# KiCad board JL-rev1.kicad_pcb
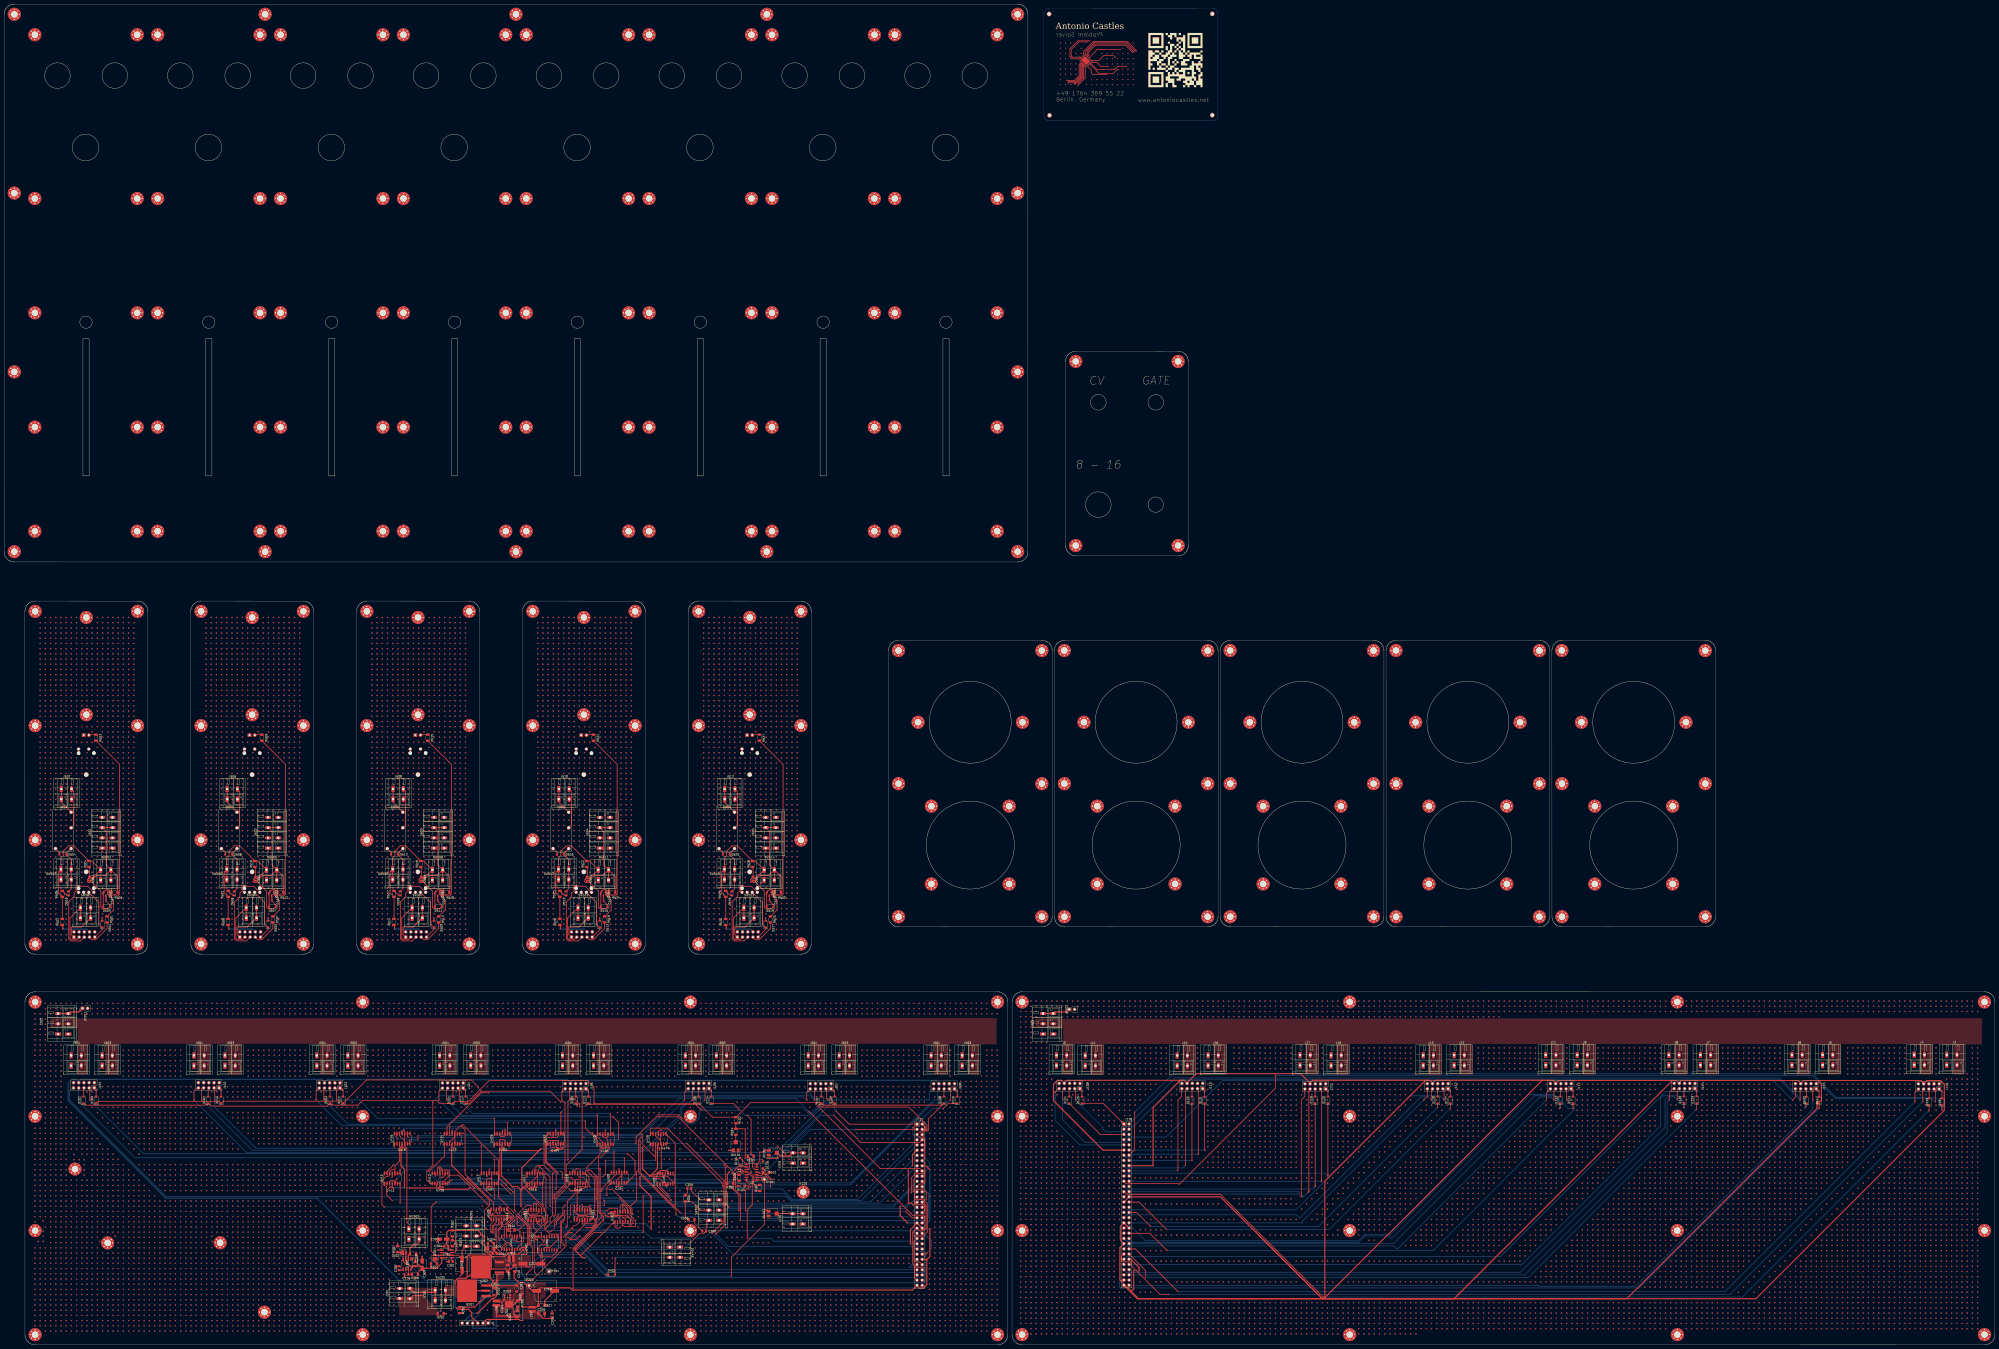
[diagram p0: board, top side]
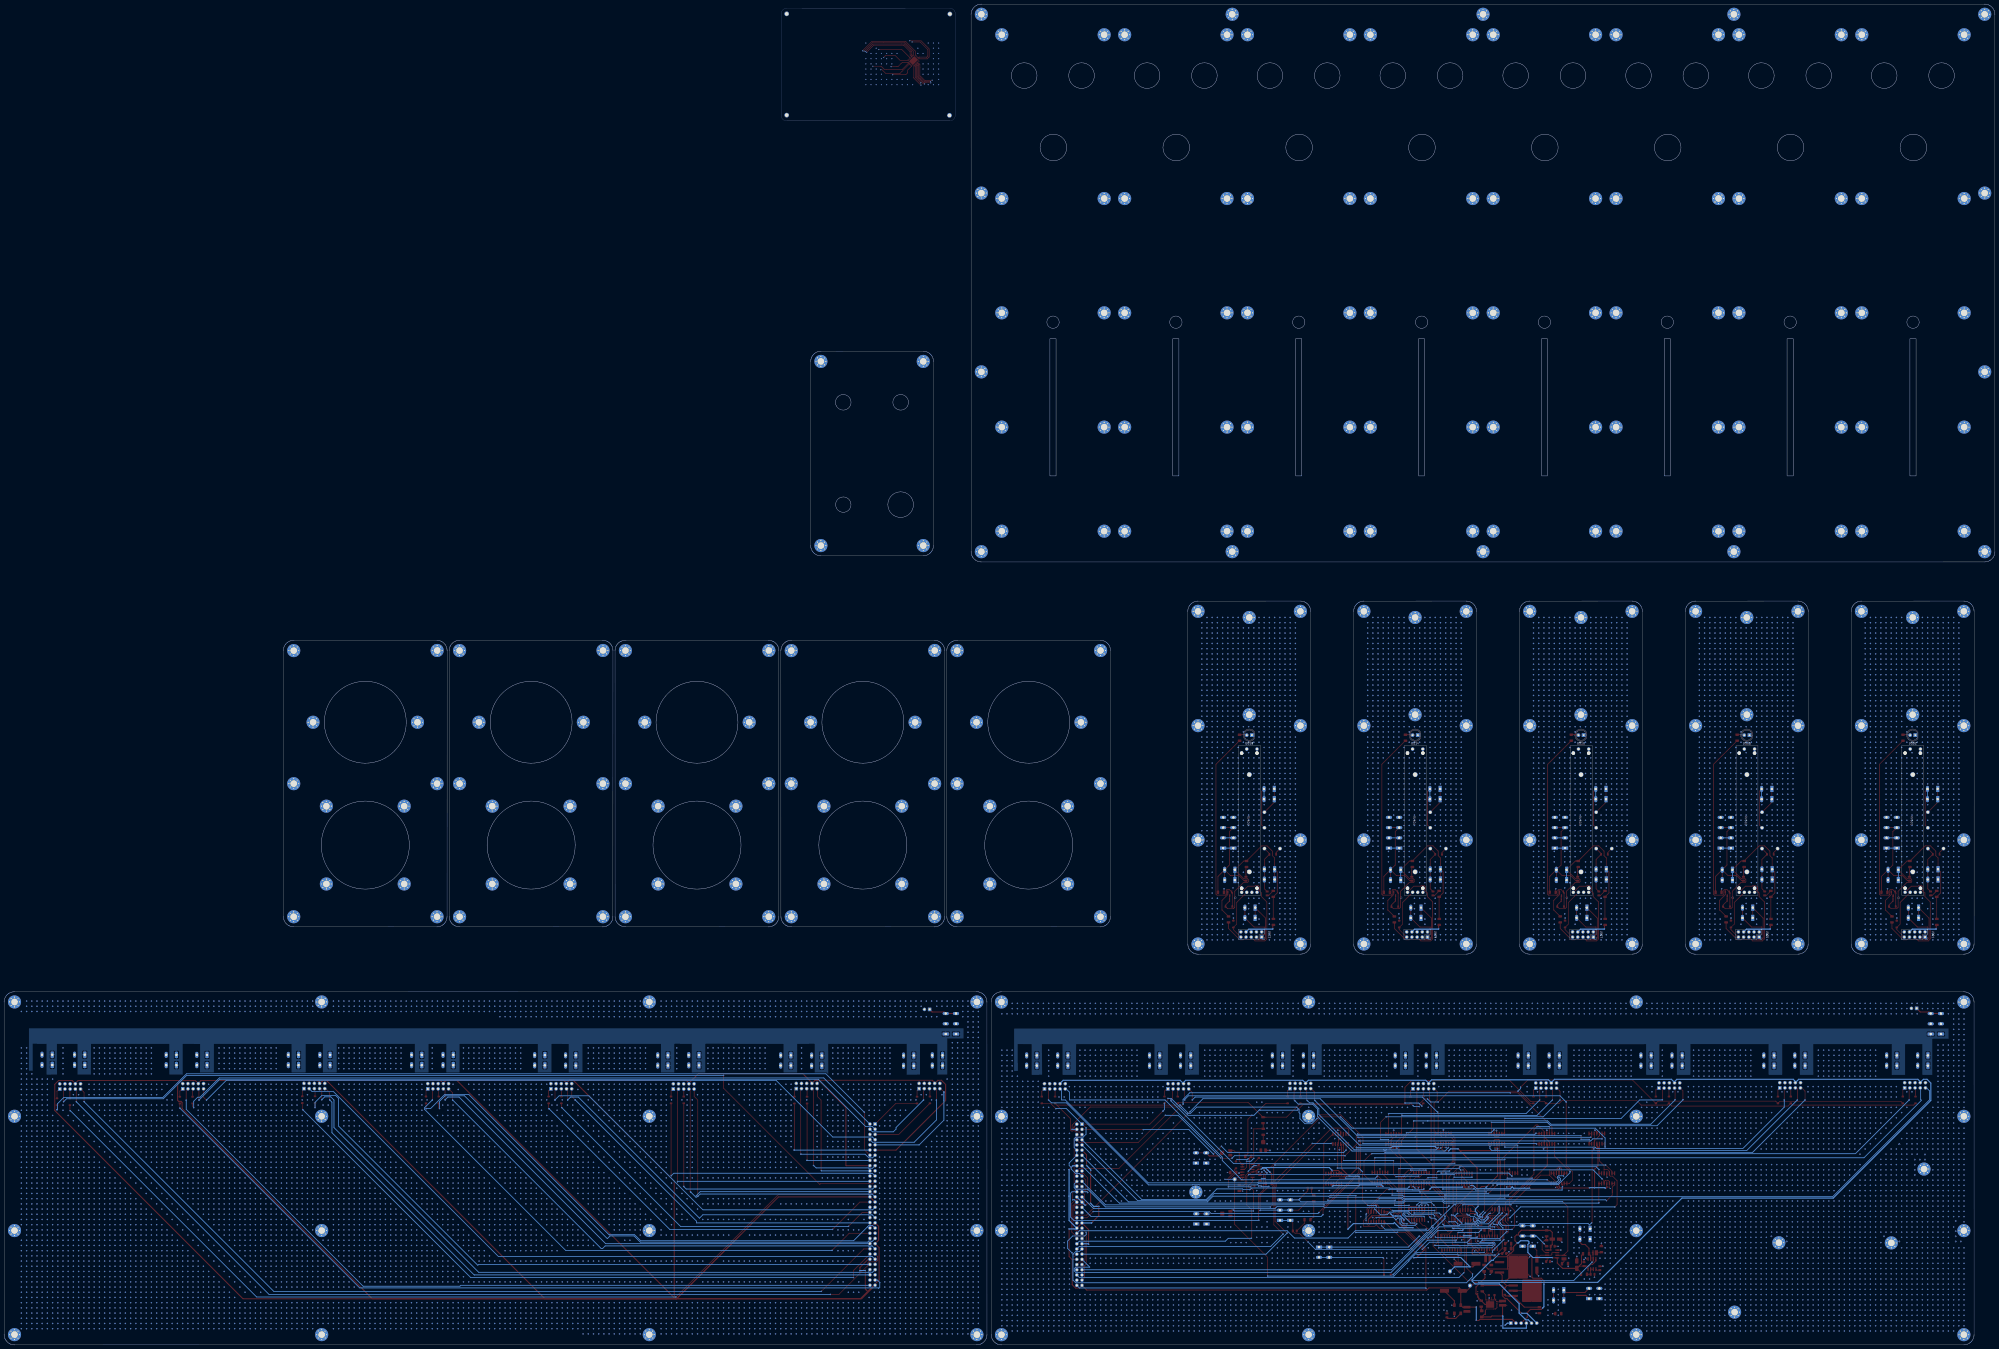
[diagram p1: board, bottom side, seen from below]

Outline 972.25 x 654.95 mm; copper layers: Top, In1.Cu (plane), In2.Cu (plane), Bottom. Coordinates in mm from the lower left corner of the outline.
Outline path: circle c26.06,620.03 r6.25 ; rectangle 38.51,491.48 41.51,424.48 ; circle c39.81,584.9 r6.5 ; circle c39.99,499.58 r3 ; circle c54.06,620.03 r6.25 ; circle c86.06,620.03 r6.25 ; rectangle 98.51,491.48 101.51,424.48 ; circle c99.81,584.9 r6.5 ; circle c99.99,499.58 r3 ; circle c114.06,620.03 r6.25 ; circle c146.06,620.03 r6.25 ; rectangle 158.51,491.48 161.51,424.48 ; circle c159.81,584.9 r6.5 ; circle c159.99,499.58 r3 ; circle c174.06,620.03 r6.25 ; circle c206.06,620.03 r6.25 ; rectangle 218.51,491.48 221.51,424.48 ; circle c219.81,584.9 r6.5 ; circle c219.99,499.58 r3 ; circle c234.06,620.03 r6.25 ; circle c266.06,620.03 r6.25 ; rectangle 278.51,491.48 281.51,424.48 ; circle c279.81,584.9 r6.5 ; circle c279.99,499.58 r3 ; circle c294.06,620.03 r6.25 ; circle c326.06,620.03 r6.25 ; rectangle 338.51,491.48 341.51,424.48 ; circle c339.81,584.9 r6.5 ; circle c339.99,499.58 r3 ; circle c354.06,620.03 r6.25 ; circle c386.06,620.03 r6.25 ; rectangle 398.51,491.48 401.51,424.48 ; circle c399.81,584.9 r6.5 ; circle c399.99,499.58 r3 ; circle c414.06,620.03 r6.25 ; circle c446.06,620.03 r6.25 ; rectangle 458.51,491.48 461.51,424.48 ; circle c459.81,584.9 r6.5 ; circle c459.99,499.58 r3 ; circle c471.86,304.15 r20 ; circle c471.86,244.15 r21.5 ; circle c474.06,620.03 r6.25 ; circle c534.38,460.43 r3.81 ; circle c534.41,410.45 r6.25 ; circle c552.86,304.15 r20 ; circle c552.86,244.15 r21.5 ; circle c562.41,410.45 r3.75 ; circle c562.43,460.43 r3.8 ; circle c633.86,304.15 r20 ; circle c633.86,244.15 r21.5 ; circle c714.86,304.15 r20 ; circle c714.86,244.15 r21.5 ; circle c795.86,304.15 r20 ; circle c795.86,244.15 r21.5 ; 0,387.46 0.02,649.93 arc(1.48,653.47) 5.02,654.95 494.98,654.94 arc(498.53,653.47) 500.01,649.94 499.99,387.47 arc(498.53,383.92) 494.99,382.45 5.02,382.46 arc(1.48,383.92) 0,387.46 ; 10.16,358.33 10.18,195.87 arc(11.66,192.33) 15.2,190.87 65.17,190.85 arc(68.71,192.33) 70.17,195.87 70.18,358.34 arc(68.71,361.88) 65.16,363.34 15.16,363.35 arc(11.62,361.87) 10.16,358.33 ; 10.18,5.02 10.19,167.48 arc(11.66,171.03) 15.19,172.51 485.16,172.49 arc(488.71,171.03) 490.18,167.49 490.17,5.02 arc(488.71,1.48) 485.17,0 15.2,0.02 arc(11.66,1.48) 10.18,5.02 ; 91.16,358.33 91.18,195.87 arc(92.66,192.33) 96.2,190.87 146.17,190.85 arc(149.71,192.33) 151.17,195.87 151.18,358.34 arc(149.71,361.88) 146.16,363.34 96.16,363.35 arc(92.62,361.87) 91.16,358.33 ; 172.16,358.33 172.18,195.87 arc(173.66,192.33) 177.2,190.87 227.17,190.85 arc(230.71,192.33) 232.17,195.87 232.18,358.34 arc(230.71,361.88) 227.16,363.34 177.16,363.35 arc(173.62,361.87) 172.16,358.33 ; 253.16,358.33 253.18,195.87 arc(254.66,192.33) 258.2,190.87 308.17,190.85 arc(311.71,192.33) 313.17,195.87 313.18,358.34 arc(311.71,361.88) 308.16,363.34 258.16,363.35 arc(254.62,361.87) 253.16,358.33 ; 334.16,358.33 334.18,195.87 arc(335.66,192.33) 339.2,190.87 389.17,190.85 arc(392.71,192.33) 394.17,195.87 394.18,358.34 arc(392.71,361.88) 389.16,363.34 339.16,363.35 arc(335.62,361.87) 334.16,358.33 ; 431.89,339.16 431.93,209.19 arc(433.41,205.65) 436.95,204.19 506.87,204.22 arc(510.41,205.7) 511.87,209.25 511.88,339.17 arc(510.41,342.7) 506.86,344.17 436.89,344.18 arc(433.36,342.7) 431.89,339.16 ; 492.24,5.03 492.26,167.5 arc(493.72,171.05) 497.26,172.52 967.23,172.51 arc(970.77,171.05) 972.25,167.51 972.23,5.04 arc(970.77,1.5) 967.23,0.02 497.26,0.03 arc(493.72,1.49) 492.24,5.03 ; 512.89,339.16 512.93,209.19 arc(514.41,205.65) 517.95,204.19 587.87,204.22 arc(591.41,205.7) 592.87,209.25 592.88,339.17 arc(591.41,342.7) 587.86,344.17 517.89,344.18 arc(514.36,342.7) 512.89,339.16 ; 518.34,480.36 518.38,390.44 arc(519.86,386.9) 523.4,385.44 573.36,385.43 arc(576.89,386.91) 578.36,390.45 578.33,480.4 arc(576.85,483.94) 573.31,485.4 523.34,485.38 arc(519.81,483.9) 518.34,480.36 ; 593.89,339.16 593.93,209.19 arc(595.41,205.65) 598.95,204.19 668.87,204.22 arc(672.41,205.7) 673.87,209.25 673.88,339.17 arc(672.41,342.7) 668.86,344.17 598.89,344.18 arc(595.36,342.7) 593.89,339.16 ; 674.89,339.16 674.93,209.19 arc(676.41,205.65) 679.95,204.19 749.87,204.22 arc(753.41,205.7) 754.87,209.25 754.88,339.17 arc(753.41,342.7) 749.86,344.17 679.89,344.18 arc(676.36,342.7) 674.89,339.16 ; 755.89,339.16 755.93,209.19 arc(757.41,205.65) 760.95,204.19 830.87,204.22 arc(834.41,205.7) 835.87,209.25 835.88,339.17 arc(834.41,342.7) 830.86,344.17 760.89,344.18 arc(757.36,342.7) 755.89,339.16
Stack: Top 0.035mm / dielectric 0.2104mm FR4 er 4.5 / In1.Cu 0.0152mm / dielectric 1.065mm FR4 er 4.5 / In2.Cu 0.0152mm / dielectric 0.2104mm FR4 er 4.5 / Bottom 0.035mm

## Placement (name value [footprint] x y rotation side)
C1  0.1uF  [C_0402_1005Metric]  360.76 84.45 90 top
C201  15uF - 50V  [C_0402_1005Metric]  252.62 25.57 270 top
C202  0.33uF  [C_0805_2012Metric]  239.69 31.15 180 top
C203  10nF  [C_0402_1005Metric]  243.19 20.57 90 top
C204  0.1uF  [C_0805_2012Metric]  239.64 44.65 180 top
C205  68uF-16V  [C_0805_2012Metric]  267.62 14.4 90 top
C206  0.1uF  [C_1206_3216Metric_Pad1.33x1.80mm_HandSolder]  262.43 15.4 0 top
C207  0.1uF  [C_1206_3216Metric_Pad1.33x1.80mm_HandSolder]  262.43 19.4 0 top
C208  C_Polarized  [CP_Elec_10x12.6]  264.49 26.4 0 top
C209  0.1uF  [C_1206_3216Metric_Pad1.33x1.80mm_HandSolder]  245.94 37.47 270 top
C210  0.1uF  [C_1206_3216Metric_Pad1.33x1.80mm_HandSolder]  249.44 37.47 270 top
C211  C_Polarized  [CP_Elec_10x12.6]  257.79 39.65 0 top
C301  C  [C_0805_2012Metric]  218.19 40.69 0 top
C302  C_Polarized  [CP_Elec_6.3x7.7]  223.69 39.24 270 top
C303  C_Polarized-1uF  [CP_Elec_4x4.5]  214.39 51.69 180 top
C304  0.1uF  [C_0805_2012Metric]  215.99 48.19 0 top
C305  C  [C_0805_2012Metric]  334.64 76.5 0 top
C306  C  [C_0805_2012Metric]  341.93 55.62 0 top
C307  C  [C_0805_2012Metric]  192.94 37.45 270 top
C308  C_Polarized-1uF  [CP_Elec_4x4.5]  204.19 39.2 90 top
C309  0.1uF  [C_0805_2012Metric]  200.69 39.45 270 top
C310  C  [C_0805_2012Metric]  196.49 34.5 180 top
C401  0.1uF  [C_0402_1005Metric]  253.62 47.15 90 top
C402  0.1uF  [C_0402_1005Metric]  259.62 51.9 90 top
C403  0.1uF  [C_0402_1005Metric]  243.65 96.45 180 top
C404  0.1uF  [C_0402_1005Metric]  300.47 77.35 180 top
C405  0.1uF  [C_0402_1005Metric]  317.72 82.68 270 top
C406  0.1uF  [C_0402_1005Metric]  293.39 96.2 0 top
C407  0.1uF  [C_0402_1005Metric]  237.25 77.15 180 top
C408  0.1uF  [C_0402_1005Metric]  287.47 62.15 90 top
C409  0.1uF  [C_0402_1005Metric]  269.27 96.45 0 top
C410  0.1uF  [C_0402_1005Metric]  213.14 77.03 180 top
C411  0.1uF  [C_0402_1005Metric]  253.72 64.65 270 top
C412  0.1uF  [C_0402_1005Metric]  219.05 96.35 180 top
C413  0.1uF  [C_0402_1005Metric]  188.84 77.1 0 top
C414  0.1uF  [C_0402_1005Metric]  246.72 62.72 90 top
C415  0.1uF  [C_0402_1005Metric]  194.3 96.45 180 top
C416  0.1uF  [C_0402_1005Metric]  258.24 77.05 0 top
C417  0.1uF  [C_0402_1005Metric]  296.76 64.51 270 top
C418  0.1uF  [C_0402_1005Metric]  280.5 77.15 180 top
C419  0.1uF  [C_0402_1005Metric]  319.5 96.25 180 top
C501  C  [C_0402_1005Metric]  49.78 217.3 90 top
C502  C  [C_0805_2012Metric]  41.78 227.7 270 top
C503  C  [C_0805_2012Metric]  31.43 220.53 90 top
C504  C  [C_0402_1005Metric]  130.78 217.3 90 top
C505  C  [C_0805_2012Metric]  122.78 227.7 270 top
C506  C  [C_0805_2012Metric]  112.43 220.53 90 top
C507  C  [C_0402_1005Metric]  211.78 217.3 90 top
C508  C  [C_0805_2012Metric]  203.78 227.7 270 top
C509  C  [C_0805_2012Metric]  193.43 220.53 90 top
C510  C  [C_0402_1005Metric]  292.78 217.3 90 top
C511  C  [C_0805_2012Metric]  284.78 227.7 270 top
C512  C  [C_0805_2012Metric]  274.43 220.53 90 top
C513  C  [C_0402_1005Metric]  373.78 217.3 90 top
C514  C  [C_0805_2012Metric]  365.78 227.7 270 top
C515  C  [C_0805_2012Metric]  355.43 220.53 90 top
D101  D  [D_SOD-123]  38.78 119.65 90 top
D102  D  [D_SOD-123]  99.68 119.65 90 top
D103  D  [D_SOD-123]  159.18 119.65 90 top
D104  D  [D_SOD-123]  219.18 119.65 90 top
D105  D  [D_SOD-123]  279.18 119.65 90 top
D106  D  [D_SOD-123]  339.18 119.65 90 top
D107  D  [D_SOD-123]  399.08 119.65 90 top
D108  D  [D_SOD-123]  458.98 119.65 90 top
D109  D  [D_SOD-123]  44.98 119.65 90 top
D110  D  [D_SOD-123]  105.98 119.65 90 top
D111  D  [D_SOD-123]  165.58 119.65 90 top
D112  D  [D_SOD-123]  225.38 119.65 90 top
D113  D  [D_SOD-123]  285.38 119.65 90 top
D114  D  [D_SOD-123]  345.38 119.65 90 top
D115  D  [D_SOD-123]  405.58 119.65 90 top
D116  D  [D_SOD-123]  465.48 119.65 90 top
D117  D  [D_SOD-123]  886.41 119.58 90 top
D118  D  [D_SOD-123]  640.31 119.68 90 top
D119  D  [D_SOD-123]  940.11 118.78 90 top
D120  D  [D_SOD-123]  646.51 119.68 90 top
D121  D  [D_SOD-123]  766.21 119.68 90 top
D122  D  [D_SOD-123]  760.01 119.68 90 top
D123  D  [D_SOD-123]  526.41 119.58 90 top
D124  D  [D_SOD-123]  520.11 119.68 90 top
D125  D  [D_SOD-123]  359.89 77.65 180 top
D126  D  [D_SOD-123]  370.64 87.9 90 top
D127  D  [D_SOD-123]  706.31 119.68 90 top
D128  D  [D_SOD-123]  700.11 119.68 90 top
D129  D  [D_SOD-123]  826.61 119.78 90 top
D130  D  [D_SOD-123]  820.41 119.78 90 top
D131  D  [D_SOD-123]  586.31 119.58 90 top
D132  D  [D_SOD-123]  880.21 119.58 90 top
D133  D  [D_SOD-123]  580.11 119.58 90 top
D134  D  [D_SOD-123]  946.41 118.78 90 top
D135  D  [D_SOD-123]  359.46 89.68 90 top
D201  ESD5Zxx  [D_SOD-523]  204.19 24.89 270 top
D202  D_Zener-10V  [D_SOD-123]  239.44 26.15 270 top
D203  D_Schottky B230A  [D_SOD-123F]  245.77 24.34 0 top
D204  LED  [LED_1206_3216Metric_Pad1.42x1.75mm_HandSolder]  237.74 46.98 0 top
D205  LED  [LED_1206_3216Metric_Pad1.42x1.75mm_HandSolder]  250.62 15.15 270 top
D301  LED  [LED_Luminus_MP-3030-1100_3.0x3.0mm]  210.44 42.62 90 top
D302  LED  [LED_Luminus_MP-3030-1100_3.0x3.0mm]  195.19 45 0 top
D401  D  [D_SOD-123]  296.73 34.3 0 top
D501  D  [D_SOD-123]  47.93 205.55 90 top
D502  LED  [LED_D5.0mm]  38.86 297.85 0 bottom
D503  D  [D_SOD-123]  50.08 214.1 180 top
D504  D  [D_SOD-123]  28.68 239.58 180 top
D505  D  [D_SOD-123]  128.93 205.55 90 top
D506  LED  [LED_D5.0mm]  119.86 297.85 0 bottom
D507  D  [D_SOD-123]  131.08 214.1 180 top
D508  D  [D_SOD-123]  109.68 239.58 180 top
D509  D  [D_SOD-123]  209.93 205.55 90 top
D510  LED  [LED_D5.0mm]  200.86 297.85 0 bottom
D511  D  [D_SOD-123]  212.08 214.1 180 top
D512  D  [D_SOD-123]  190.68 239.58 180 top
D513  D  [D_SOD-123]  290.93 205.55 90 top
D514  LED  [LED_D5.0mm]  281.86 297.85 0 bottom
D515  D  [D_SOD-123]  293.08 214.1 180 top
D516  D  [D_SOD-123]  271.68 239.58 180 top
D517  D  [D_SOD-123]  371.93 205.55 90 top
D518  LED  [LED_D5.0mm]  362.86 297.85 0 bottom
D519  D  [D_SOD-123]  374.08 214.1 180 top
D520  D  [D_SOD-123]  352.68 239.58 180 top
H102  MountingHole  [MountingHole_3.2mm_M3_Pad_Via]  50.57 49.83 0 top
H108  MountingHole  [MountingHole_3.2mm_M3_Pad_Via]  817.16 55.86 0 top
H108#2  MountingHole  [MountingHole_3.2mm_M3_Pad_Via]  15.16 167.49 0 top
H108#3  MountingHole  [MountingHole_3.2mm_M3_Pad_Via]  657.16 167.52 0 top
H108#4  MountingHole  [MountingHole_3.2mm_M3_Pad_Via]  335.16 167.49 0 top
H108#5  MountingHole  [MountingHole_3.2mm_M3_Pad_Via]  523.36 390.45 0 top
H108#6  MountingHole  [MountingHole_3.2mm_M3_Pad_Via]  175.16 167.49 0 top
H108#7  MountingHole  [MountingHole_3.2mm_M3_Pad_Via]  490.86 225.15 0 top
H108#8  MountingHole  [MountingHole_3.2mm_M3_Pad_Via]  15.18 358.33 0 top
H108#9  MountingHole  [MountingHole_3.2mm_M3_Pad_Via]  506.81 209.15 0 top
H108#10  MountingHole  [MountingHole_3.2mm_M3_Pad_Via]  335.16 111.66 0 top
H108#11  MountingHole  [MountingHole_3.2mm_M3_Pad_Via]  817.16 5.02 0 top
H108#12  MountingHole  [MountingHole_3.2mm_M3_Pad_Via]  657.16 5.02 0 top
H108#13  MountingHole  [MountingHole_3.2mm_M3_Pad_Via]  967.16 5.02 0 top
H108#14  MountingHole  [MountingHole_3.2mm_M3_Pad_Via]  65.01 448.31 0 top
H108#15  MountingHole  [MountingHole_3.2mm_M3_Pad_Via]  497.16 167.52 0 top
H108#16  MountingHole  [MountingHole_3.2mm_M3_Pad_Via]  452.86 263.15 0 top
H108#17  MountingHole  [MountingHole_3.2mm_M3_Pad_Via]  175.16 4.99 0 top
H108#18  MountingHole  [MountingHole_3.2mm_M3_Pad_Via]  490.86 263.15 0 top
H108#19  MountingHole  [MountingHole_3.2mm_M3_Pad_Via]  335.16 55.83 0 top
H108#20  MountingHole  [MountingHole_3.2mm_M3_Pad_Via]  65.01 559.98 0 top
H108#21  MountingHole  [MountingHole_3.2mm_M3_Pad_Via]  65.18 358.33 0 top
H108#22  MountingHole  [MountingHole_3.2mm_M3_Pad_Via]  497.16 111.69 0 top
H108#23  MountingHole  [MountingHole_3.2mm_M3_Pad_Via]  15.18 246.66 0 top
H108#24  MountingHole  [MountingHole_3.2mm_M3_Pad_Via]  335.16 4.99 0 top
H108#25  MountingHole  [MountingHole_3.2mm_M3_Pad_Via]  452.86 225.15 0 top
H108#26  MountingHole  [MountingHole_3.2mm_M3_Pad_Via]  65.18 195.83 0 top
H108#27  MountingHole  [MountingHole_3.2mm_M3_Pad_Via]  436.81 209.15 0 top
H108#28  MountingHole  [MountingHole_3.2mm_M3_Pad_Via]  40.16 307.83 0 top
H108#29  MountingHole  [MountingHole_3.2mm_M3_Pad_Via]  15.18 302.5 0 top
H108#30  MountingHole  [MountingHole_3.2mm_M3_Pad_Via]  506.81 339.15 0 top
H108#31  MountingHole  [MountingHole_3.2mm_M3_Pad_Via]  485.16 4.99 0 top
H108#32  MountingHole  [MountingHole_3.2mm_M3_Pad_Via]  65.01 639.98 0 top
H108#33  MountingHole  [MountingHole_3.2mm_M3_Pad_Via]  436.76 339.21 0 top
H108#34  MountingHole  [MountingHole_3.2mm_M3_Pad_Via]  15.16 111.66 0 top
H108#35  MountingHole  [MountingHole_3.2mm_M3_Pad_Via]  65.01 504.14 0 top
H108#36  MountingHole  [MountingHole_3.2mm_M3_Pad_Via]  15.01 448.31 0 top
H108#37  MountingHole  [MountingHole_3.2mm_M3_Pad_Via]  15.01 397.48 0 top
H108#38  MountingHole  [MountingHole_3.2mm_M3_Pad_Via]  175.16 55.83 0 top
H108#39  MountingHole  [MountingHole_3.2mm_M3_Pad_Via]  506.81 274.15 0 top
H108#40  MountingHole  [MountingHole_3.2mm_M3_Pad_Via]  817.16 167.52 0 top
H108#41  MountingHole  [MountingHole_3.2mm_M3_Pad_Via]  15.01 559.98 0 top
H108#42  MountingHole  [MountingHole_3.2mm_M3_Pad_Via]  657.16 55.86 0 top
H108#43  MountingHole  [MountingHole_3.2mm_M3_Pad_Via]  573.36 480.4 0 top
H108#44  MountingHole  [MountingHole_3.2mm_M3_Pad_Via]  15.16 4.99 0 top
H108#45  MountingHole  [MountingHole_3.2mm_M3_Pad_Via]  497.16 55.86 0 top
H108#46  MountingHole  [MountingHole_3.2mm_M3_Pad_Via]  497.36 304.15 0 top
H108#47  MountingHole  [MountingHole_3.2mm_M3_Pad_Via]  657.16 111.69 0 top
H108#48  MountingHole  [MountingHole_3.2mm_M3_Pad_Via]  817.16 111.69 0 top
H108#49  MountingHole  [MountingHole_3.2mm_M3_Pad_Via]  40.16 355.33 0 top
H108#50  MountingHole  [MountingHole_3.2mm_M3_Pad_Via]  4.98 649.97 0 top
H108#51  MountingHole  [MountingHole_3.2mm_M3_Pad_Via]  497.16 5.02 0 top
H108#52  MountingHole  [MountingHole_3.2mm_M3_Pad_Via]  523.36 480.4 0 top
H108#53  MountingHole  [MountingHole_3.2mm_M3_Pad_Via]  65.01 397.48 0 top
H108#54  MountingHole  [MountingHole_3.2mm_M3_Pad_Via]  436.81 274.15 0 top
H108#55  MountingHole  [MountingHole_3.2mm_M3_Pad_Via]  15.01 639.98 0 top
H108#56  MountingHole  [MountingHole_3.2mm_M3_Pad_Via]  485.16 55.83 0 top
H108#57  MountingHole  [MountingHole_3.2mm_M3_Pad_Via]  15.01 504.14 0 top
H108#58  MountingHole  [MountingHole_3.2mm_M3_Pad_Via]  15.16 55.83 0 top
H108#59  MountingHole  [MountingHole_3.2mm_M3_Pad_Via]  15.18 195.83 0 top
H108#60  MountingHole  [MountingHole_3.2mm_M3_Pad_Via]  65.18 246.66 0 top
H108#61  MountingHole  [MountingHole_3.2mm_M3_Pad_Via]  485.16 167.49 0 top
H108#62  MountingHole  [MountingHole_3.2mm_M3_Pad_Via]  573.36 390.45 0 top
H108#63  MountingHole  [MountingHole_3.2mm_M3_Pad_Via]  485.16 111.66 0 top
H108#64  MountingHole  [MountingHole_3.2mm_M3_Pad_Via]  967.16 111.69 0 top
H108#65  MountingHole  [MountingHole_3.2mm_M3_Pad_Via]  967.16 167.52 0 top
H108#66  MountingHole  [MountingHole_3.2mm_M3_Pad_Via]  175.16 111.66 0 top
H108#67  MountingHole  [MountingHole_3.2mm_M3_Pad_Via]  967.16 55.86 0 top
H108#68  MountingHole  [MountingHole_3.2mm_M3_Pad_Via]  65.18 302.5 0 top
H108#69  MountingHole  [MountingHole_3.2mm_M3_Pad_Via]  446.36 304.15 0 top
H109  MountingHole  [MountingHole_3.2mm_M3_Pad_Via]  96.18 195.83 0 top
H110  MountingHole  [MountingHole_3.2mm_M3_Pad_Via]  390.24 74.68 0 top
H111  MountingHole  [MountingHole_3.2mm_M3_Pad_Via]  146.18 195.83 0 top
H112  MountingHole  [MountingHole_3.2mm_M3_Pad_Via]  96.18 246.66 0 top
H113  MountingHole  [MountingHole_3.2mm_M3_Pad_Via]  146.18 246.66 0 top
H114  MountingHole  [MountingHole_3.2mm_M3_Pad_Via]  96.18 302.5 0 top
H115  MountingHole  [MountingHole_3.2mm_M3_Pad_Via]  75.01 397.48 0 top
H116  MountingHole  [MountingHole_3.2mm_M3_Pad_Via]  125.01 397.48 0 top
H117  MountingHole  [MountingHole_3.2mm_M3_Pad_Via]  75.01 448.31 0 top
H118  MountingHole  [MountingHole_3.2mm_M3_Pad_Via]  125.01 448.31 0 top
H119  MountingHole  [MountingHole_3.2mm_M3_Pad_Via]  75.01 504.14 0 top
H120  MountingHole  [MountingHole_3.2mm_M3_Pad_Via]  125.01 504.14 0 top
H121  MountingHole  [MountingHole_3.2mm_M3_Pad_Via]  75.01 559.98 0 top
H122  MountingHole  [MountingHole_3.2mm_M3_Pad_Via]  146.18 302.5 0 top
H123  MountingHole  [MountingHole_3.2mm_M3_Pad_Via]  125.01 559.98 0 top
H124  MountingHole  [MountingHole_3.2mm_M3_Pad_Via]  121.16 307.83 0 top
H125  MountingHole  [MountingHole_3.2mm_M3_Pad_Via]  135.01 397.48 0 top
H126  MountingHole  [MountingHole_3.2mm_M3_Pad_Via]  185.01 397.48 0 top
H127  MountingHole  [MountingHole_3.2mm_M3_Pad_Via]  135.01 448.31 0 top
H128  MountingHole  [MountingHole_3.2mm_M3_Pad_Via]  185.01 448.31 0 top
H129  MountingHole  [MountingHole_3.2mm_M3_Pad_Via]  135.01 504.14 0 top
H130  MountingHole  [MountingHole_3.2mm_M3_Pad_Via]  185.01 504.14 0 top
H131  MountingHole  [MountingHole_3.2mm_M3_Pad_Via]  135.01 559.98 0 top
H132  MountingHole  [MountingHole_3.2mm_M3_Pad_Via]  121.16 355.33 0 top
H133  MountingHole  [MountingHole_3.2mm_M3_Pad_Via]  96.18 358.33 0 top
H134  MountingHole  [MountingHole_3.2mm_M3_Pad_Via]  185.01 559.98 0 top
H135  MountingHole  [MountingHole_3.2mm_M3_Pad_Via]  195.01 397.48 0 top
H136  MountingHole  [MountingHole_3.2mm_M3_Pad_Via]  245.01 397.48 0 top
H137  MountingHole  [MountingHole_3.2mm_M3_Pad_Via]  195.01 448.31 0 top
H138  MountingHole  [MountingHole_3.2mm_M3_Pad_Via]  245.01 448.31 0 top
H139  MountingHole  [MountingHole_3.2mm_M3_Pad_Via]  195.01 504.14 0 top
H140  MountingHole  [MountingHole_3.2mm_M3_Pad_Via]  245.01 504.14 0 top
H141  MountingHole  [MountingHole_3.2mm_M3_Pad_Via]  146.18 358.33 0 top
H142  MountingHole  [MountingHole_3.2mm_M3_Pad_Via]  195.01 559.98 0 top
H143  MountingHole  [MountingHole_3.2mm_M3_Pad_Via]  245.01 559.98 0 top
H144  MountingHole  [MountingHole_3.2mm_M3_Pad_Via]  177.18 195.83 0 top
H145  MountingHole  [MountingHole_3.2mm_M3_Pad_Via]  255.01 397.48 0 top
H146  MountingHole  [MountingHole_3.2mm_M3_Pad_Via]  305.01 397.48 0 top
H147  MountingHole  [MountingHole_3.2mm_M3_Pad_Via]  255.01 448.31 0 top
H148  MountingHole  [MountingHole_3.2mm_M3_Pad_Via]  305.01 448.31 0 top
H149  MountingHole  [MountingHole_3.2mm_M3_Pad_Via]  255.01 504.14 0 top
H150  MountingHole  [MountingHole_3.2mm_M3_Pad_Via]  305.01 504.14 0 top
H151  MountingHole  [MountingHole_3.2mm_M3_Pad_Via]  255.01 559.98 0 top
H152  MountingHole  [MountingHole_3.2mm_M3_Pad_Via]  227.18 195.83 0 top
H153  MountingHole  [MountingHole_3.2mm_M3_Pad_Via]  305.01 559.98 0 top
H154  MountingHole  [MountingHole_3.2mm_M3_Pad_Via]  177.18 246.66 0 top
H155  MountingHole  [MountingHole_3.2mm_M3_Pad_Via]  315.01 397.48 0 top
H156  MountingHole  [MountingHole_3.2mm_M3_Pad_Via]  365.01 397.48 0 top
H157  MountingHole  [MountingHole_3.2mm_M3_Pad_Via]  315.01 448.31 0 top
H158  MountingHole  [MountingHole_3.2mm_M3_Pad_Via]  365.01 448.31 0 top
H159  MountingHole  [MountingHole_3.2mm_M3_Pad_Via]  315.01 504.14 0 top
H160  MountingHole  [MountingHole_3.2mm_M3_Pad_Via]  365.01 504.14 0 top
H161  MountingHole  [MountingHole_3.2mm_M3_Pad_Via]  315.01 559.98 0 top
H162  MountingHole  [MountingHole_3.2mm_M3_Pad_Via]  227.18 246.66 0 top
H163  MountingHole  [MountingHole_3.2mm_M3_Pad_Via]  177.18 302.5 0 top
H164  MountingHole  [MountingHole_3.2mm_M3_Pad_Via]  365.01 559.98 0 top
H165  MountingHole  [MountingHole_3.2mm_M3_Pad_Via]  375.01 397.48 0 top
H166  MountingHole  [MountingHole_3.2mm_M3_Pad_Via]  425.01 397.48 0 top
H167  MountingHole  [MountingHole_3.2mm_M3_Pad_Via]  375.01 448.31 0 top
H168  MountingHole  [MountingHole_3.2mm_M3_Pad_Via]  425.01 448.31 0 top
H169  MountingHole  [MountingHole_3.2mm_M3_Pad_Via]  375.01 504.14 0 top
H170  MountingHole  [MountingHole_3.2mm_M3_Pad_Via]  425.01 504.14 0 top
H171  MountingHole  [MountingHole_3.2mm_M3_Pad_Via]  375.01 559.98 0 top
H172  MountingHole  [MountingHole_3.2mm_M3_Pad_Via]  227.18 302.5 0 top
H173  MountingHole  [MountingHole_3.2mm_M3_Pad_Via]  425.01 559.98 0 top
H174  MountingHole  [MountingHole_3.2mm_M3_Pad_Via]  202.16 307.83 0 top
H175  MountingHole  [MountingHole_3.2mm_M3_Pad_Via]  435.01 397.48 0 top
H176  MountingHole  [MountingHole_3.2mm_M3_Pad_Via]  485.01 397.48 0 top
H177  MountingHole  [MountingHole_3.2mm_M3_Pad_Via]  435.01 448.31 0 top
H178  MountingHole  [MountingHole_3.2mm_M3_Pad_Via]  485.01 448.31 0 top
H179  MountingHole  [MountingHole_3.2mm_M3_Pad_Via]  435.01 504.14 0 top
H180  MountingHole  [MountingHole_3.2mm_M3_Pad_Via]  485.01 504.14 0 top
H181  MountingHole  [MountingHole_3.2mm_M3_Pad_Via]  202.16 355.33 0 top
H182  MountingHole  [MountingHole_3.2mm_M3_Pad_Via]  435.01 559.98 0 top
H183  MountingHole  [MountingHole_3.2mm_M3_Pad_Via]  485.01 559.98 0 top
H184  MountingHole  [MountingHole_3.2mm_M3_Pad_Via]  177.18 358.33 0 top
H185  MountingHole  [MountingHole_3.2mm_M3_Pad_Via]  227.18 358.33 0 top
H186  MountingHole  [MountingHole_3.2mm_M3_Pad_Via]  258.18 195.83 0 top
H187  MountingHole  [MountingHole_3.2mm_M3_Pad_Via]  308.18 195.83 0 top
H188  MountingHole  [MountingHole_3.2mm_M3_Pad_Via]  494.98 562.64 0 top
H188#2  MountingHole  [MountingHole_3.2mm_M3_Pad_Via]  4.98 562.64 0 top
H189  MountingHole  [MountingHole_3.2mm_M3_Pad_Via]  258.18 246.66 0 top
H190  MountingHole  [MountingHole_3.2mm_M3_Pad_Via]  308.18 246.66 0 top
H191  MountingHole  [MountingHole_3.2mm_M3_Pad_Via]  494.98 475.31 0 top
H191#2  MountingHole  [MountingHole_3.2mm_M3_Pad_Via]  4.98 475.31 0 top
H192  MountingHole  [MountingHole_3.2mm_M3_Pad_Via]  258.18 302.5 0 top
H193  MountingHole  [MountingHole_3.2mm_M3_Pad_Via]  308.18 302.5 0 top
H194  MountingHole  [MountingHole_3.2mm_M3_Pad_Via]  4.98 387.47 0 top
H195  MountingHole  [MountingHole_3.2mm_M3_Pad_Via]  283.16 307.83 0 top
H196  MountingHole  [MountingHole_3.2mm_M3_Pad_Via]  283.16 355.33 0 top
H197  MountingHole  [MountingHole_3.2mm_M3_Pad_Via]  258.18 358.33 0 top
H198  MountingHole  [MountingHole_3.2mm_M3_Pad_Via]  308.18 358.33 0 top
H199  MountingHole  [MountingHole_3.2mm_M3_Pad_Via]  494.98 649.97 0 top
H200  MountingHole  [MountingHole_3.2mm_M3_Pad_Via]  339.18 195.83 0 top
H201  MountingHole  [MountingHole_3.2mm_M3_Pad_Via]  389.18 195.83 0 top
H202  MountingHole  [MountingHole_3.2mm_M3_Pad_Via]  339.18 246.66 0 top
H203  MountingHole  [MountingHole_3.2mm_M3_Pad_Via]  389.18 246.66 0 top
H204  MountingHole  [MountingHole_3.2mm_M3_Pad_Via]  339.18 302.5 0 top
H205  MountingHole  [MountingHole_3.2mm_M3_Pad_Via]  389.18 302.5 0 top
H206  MountingHole  [MountingHole_3.2mm_M3_Pad_Via]  364.16 307.83 0 top
H207  MountingHole  [MountingHole_3.2mm_M3_Pad_Via]  364.16 355.33 0 top
H208  MountingHole  [MountingHole_3.2mm_M3_Pad_Via]  339.18 358.33 0 top
H209  MountingHole  [MountingHole_3.2mm_M3_Pad_Via]  389.18 358.33 0 top
H210  MountingHole  [MountingHole_3.2mm_M3_Pad_Via]  127.48 387.47 0 top
H211  MountingHole  [MountingHole_3.2mm_M3_Pad_Via]  249.98 387.47 0 top
H212  MountingHole  [MountingHole_3.2mm_M3_Pad_Via]  372.48 387.47 0 top